# KiCad board memory.ROMRAM.kicad_pcb (continued)
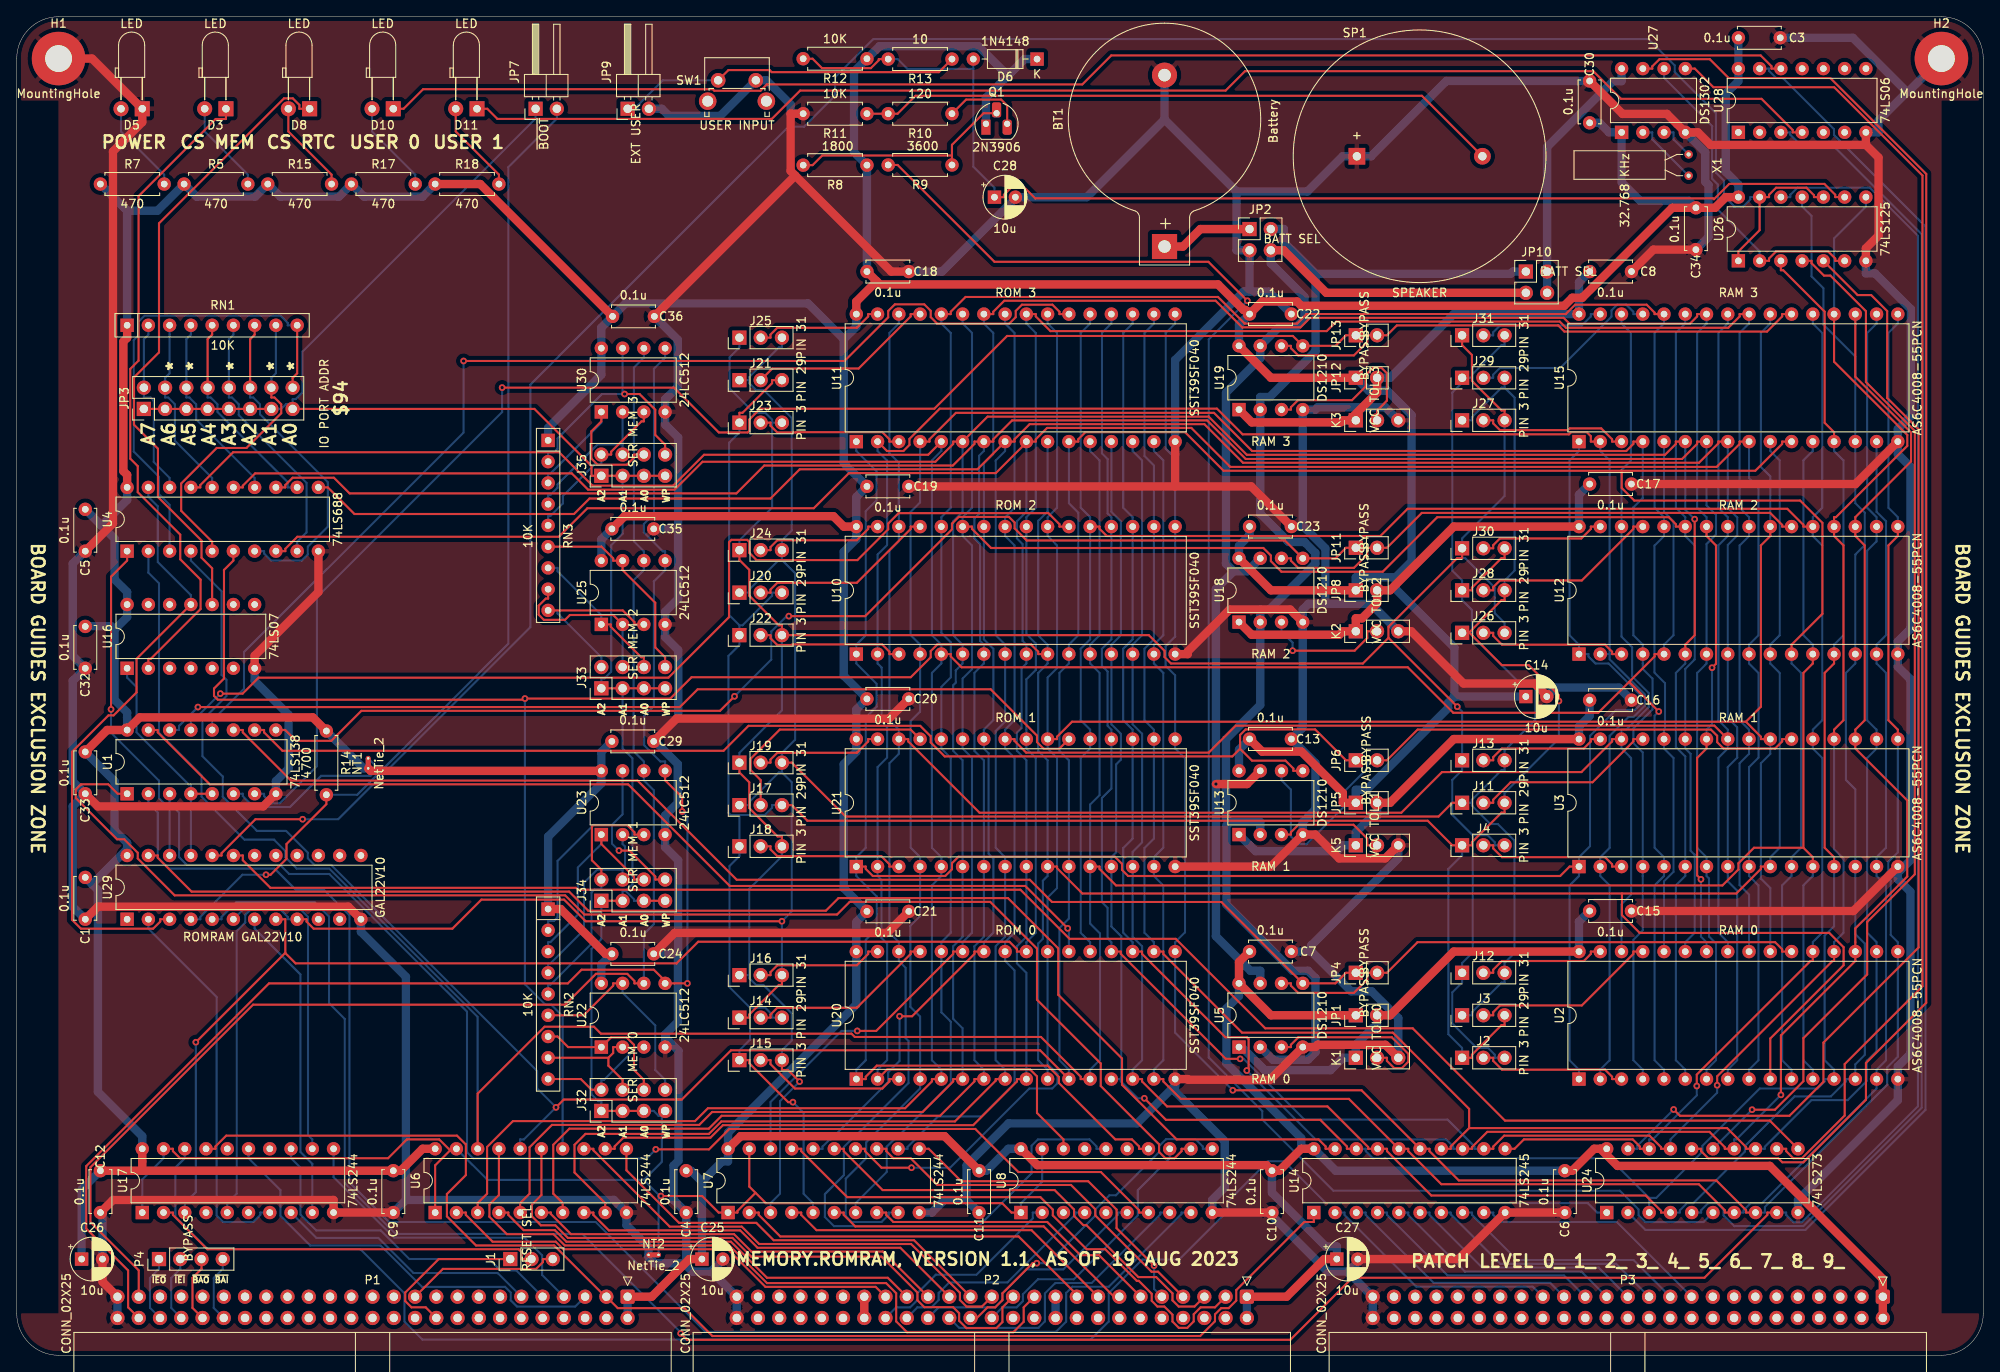
[diagram p0: board, top side]
## Routing (per net, layer and track width the routed paths; a pad name or vN(x,y) marks a point on that pad's centre or on a via; arc(x,y) is an arc through that point) (continued)
bA15: length 323.7
  Top w0.25: J19.1 86.36,69.66 87.54,68.49 87.54,65.41 90.93,62.02 91.44,62.02 J18.3 ; v1(93.55,32.71) 92.16,34.1 91.44,34.1 J15.3 ; J30.1 172.72,95.28 172.13,95.28 163.92,87.07 163.92,85.75 ; v1(172.15,77.53) 163.92,85.75 ; 163.92,85.75 160.86,82.69 137.94,82.69 137.16,83.46 137.16,84.2 135.28,86.08 J22.3 91.44,87.26 91.07,87.26 87.54,90.79 87.54,93.89 86.36,95.06 J24.1 ; J31.1 172.72,120.74 173.9,119.57 173.9,116.47 177.43,112.94 177.8,112.94 J27.3
  Bottom w0.25: 173.99,62.15 173.99,48.17 172.72,46.9 J12.1 172.72,44.54 171.54,43.37 171.54,39.66 174.46,36.74 175.82,36.74 176.62,35.93 176.62,35.56 J2.3 ; 173.99,62.15 175.8,62.15 176.62,61.33 176.62,60.96 J4.3 ; 173.99,62.15 171.54,64.6 171.54,68.77 172.72,69.94 J13.1 172.72,76.95 v1(172.15,77.53) ; J27.3 177.8,102.72 172.72,97.64 J30.1 172.72,95.28 173.09,95.28 176.62,91.75 176.62,88.71 177.8,87.54 J26.3 ; 87.54,45.44 87.54,45.07 88.34,44.26 89.22,44.26 92.62,40.87 92.62,37.63 91.44,36.46 J15.3 ; 87.54,45.44 J16.1 ; 87.54,45.44 87.54,55.76 91.44,59.66 J18.3 ; 90.26,111.48 90.26,101.32 86.36,97.42 J24.1 ; 90.26,111.48 J23.3 ; 90.26,111.48 90.26,111.85 89.46,112.66 88.1,112.66 85.18,115.57 85.18,119.29 86.36,120.46 J25.1 ; J19.1 86.36,72.02 91.44,77.1 J22.3 ; U7.3 90.08,18.19 91.21,19.32 91.21,30.38 v1(93.55,32.71)
bA16: length 283.5
  Top w0.25: U15.2 188.1,109.22 188.1,109.86 187.62,110.34 185.76,110.34 185.5,110.08 146.49,110.08 143.42,113.15 110.29,113.15 106.68,109.54 106.68,108.81 105.96,108.09 104,108.09 U11.2 ; U20.2 104.02,34.17 121.09,34.17 121.92,33.34 121.92,28.97 125.08,25.81 U8.18
  Bottom w0.25: U2.2 189.23,34.14 190.36,35.27 190.36,56.16 189.23,57.29 U3.2 189.23,59.54 190.36,60.67 190.36,74.04 192.61,76.3 193.21,76.3 194.58,77.67 194.58,78.97 190.36,83.19 190.36,83.81 ; U12.2 190.36,83.81 ; 190.36,83.81 190.36,106.96 189.23,108.09 U15.2 ; U11.2 102.87,108.09 104,106.96 104,96.84 102.87,95.71 U10.2 102.87,82.69 103.37,82.19 103.37,75.69 104,75.06 104,71.44 102.87,70.31 U21.2 102.87,57.29 103.34,56.82 103.34,49.88 104.01,49.21 104.01,35.28 102.87,34.14 U20.2
bA17: length 331.4
  Top w0.25: U21.30 106.54,73.66 106.54,73.37 115.06,64.85 165.46,64.85 170.32,69.71 186.98,69.71 190.64,73.37 190.64,73.66 U3.30
  Bottom w0.25: U2.30 191.77,53.92 192.92,55.07 192.92,71.38 191.77,72.53 U3.30 191.77,74.78 192.33,74.78 195.03,77.48 195.03,79.16 193.04,81.14 193.04,84.63 191.77,85.9 U12.30 191.77,105.82 192.9,106.94 192.9,122.2 191.77,123.33 U15.30 ; U11.30 105.41,123.33 104.28,122.2 104.28,107.81 105.41,106.68 U10.30 105.41,97.29 104.28,96.17 104.28,75.91 105.41,74.78 U21.30 105.41,71.89 104.28,70.77 104.28,50.51 105.41,49.38 U20.30 105.41,47.13 106.23,46.31 106.23,37.91 106.57,37.57 106.57,32.54 100.34,26.31 100.26,26.31 98.84,24.89 98.84,21.53 96.57,19.26 96.57,16.52 97.66,15.44 114.97,15.44 121.27,21.74 121.27,25.04 122.03,25.81 128.19,25.81 129.03,24.96 129.03,24.68 U8.16
bA18: length 300
  Top w0.25: U8.14 134.11,24.68 134.11,24.96 133.27,25.81 131.28,25.81 124.54,32.54 124.54,33.26 123.18,34.62 102.78,34.62 101.46,33.3 101.46,33.01 U20.1 ; U21.1 101.46,58.41 101.46,58.13 102.3,57.29 110.96,57.29 111.76,58.09 111.76,58.81 112.54,59.59 131.23,59.59 132.08,58.74 132.08,58.02 132.81,57.29 184.44,57.29 185.56,58.41 U3.1
  Bottom w0.25: U20.1 100.33,34.14 101.46,35.27 101.46,49.65 102.77,50.97 102.77,54.85 100.33,57.29 U21.1 100.33,59.54 101.46,60.67 101.46,76.23 102.76,77.53 102.76,80.26 100.33,82.69 U10.1 100.33,84.94 101.46,86.07 101.46,100.9 102.75,102.2 102.75,105.67 100.33,108.09 U11.1 ; U2.1 186.69,34.14 185.56,35.27 185.56,56.16 186.69,57.29 U3.1 186.69,59.54 188.01,60.86 188.01,74.04 191.11,77.14 193.38,77.14 194.11,77.86 194.11,78.81 190.22,82.69 188.66,82.69 187.82,83.53 187.82,83.81 U12.1 186.69,84.94 185.56,86.07 185.56,106.96 186.69,108.09 U15.1
bA19: length 167
  Top w0.25: U8.12 139.19,24.68 139.19,24.4 138.35,23.55 137.26,23.55 136.51,24.3 136.51,25.21 129.54,32.18 129.54,34.88 121.92,42.5 121.92,48.61 116.34,54.2 99.54,54.2 98.03,52.69 67.82,52.69 65.54,54.97 18.87,54.97 14.46,59.38 14.46,60.07 12.85,61.68 11.98,61.68 7.05,66.6 7.05,67.62 7.68,68.25 10.93,68.25 12.06,67.12 U1.1
bA20: length 181.7
  Bottom w0.25: U8.9 139.19,17.06 139.19,16.88 130.5,8.19 126.14,8.19 125.41,7.46 125.41,4.03 124.2,2.82 82.29,2.82 69.17,15.93 44.49,15.93 39.75,20.67 39.75,52.59 36.72,55.62 33.36,55.62 30.82,58.16 18.18,58.16 16.86,59.49 16.86,64.87 15.73,65.99 U1.2
bA21: length 154.4
  Top w0.25: U8.7 134.11,17.06 134.11,17.34 129.55,21.9 119.69,21.9 114.54,27.05 85.17,27.05 82.73,24.61 v1(76.36,24.61)
  Bottom w0.25: v1(76.36,24.61) 75.28,23.53 54.56,23.53 53.81,24.28 53.81,41.07 37.36,57.53 32.55,57.53 31.46,58.61 20.33,58.61 19.4,59.55 19.4,64.87 18.27,65.99 U1.3
bD0: length 283
  Top w0.25: U14.18 158.95,24.68 158.95,24.96 155.77,28.14 137.33,28.14 v1(134.75,30.72) ; U3.13 217.17,59.54 216.04,60.67 216.04,81.56 217.17,82.69 U12.13 ; U26.3 210.81,129.69 211.1,129.69 216.04,124.75 216.04,111.47 217.17,110.34 U15.13
  Bottom w0.25: U3.13 217.17,51.28 216.04,50.16 216.04,35.27 217.17,34.14 U2.13 216.04,33.01 216.04,32.73 215.2,31.89 208.29,31.89 201.43,25.03 201.43,24.32 195.91,18.81 195.08,18.81 ; v1(134.75,30.72) 133.95,30.72 131.94,32.73 131.94,33.01 131.82,33.01 ; 131.82,33.01 U20.13 ; 131.82,33.01 132,33.19 132,50.08 130.81,51.26 U21.13 130.81,59.54 131.38,60.11 131.38,70.63 131.94,71.19 131.94,74.29 130.81,75.42 U10.13 130.81,84.94 131.94,86.07 131.94,99.68 130.81,100.82 U11.13 ; U14.18 161.21,24.68 161.21,24.4 162.05,23.55 190.33,23.55 195.08,18.81 ; 195.08,18.81 U24.3 ; U15.13 217.17,108.09 218.3,106.96 218.3,86.07 217.17,84.94 U12.13
bD1: length 290.7
  Top w0.25: U20.14 134.48,33.01 134.48,32.73 137.46,29.75 156.63,29.75 161.49,24.88 161.49,24.68 U14.17 163.75,24.68 163.75,24.4 169.05,19.1 194.66,19.1 196.49,17.26 196.49,17.06 U24.4
  Bottom w0.25: U20.14 133.35,34.14 134.48,35.27 134.48,48.89 133.35,50.02 U21.14 133.35,60.18 134.48,61.31 134.48,74.29 133.35,75.42 U10.14 133.35,84.94 134.48,86.07 134.48,106.96 133.35,108.09 U11.14 ; U24.4 198.75,17.06 198.75,17.34 199.59,18.19 200.35,18.19 206.51,24.34 206.51,25 212.45,30.95 216.8,30.95 218.58,32.73 218.58,33.01 U2.14 219.71,34.78 220.85,35.91 220.85,49.21 219.71,50.34 U3.14 219.71,67.65 218.58,68.78 218.58,81.56 219.71,82.69 U12.14 219.71,95.71 220.84,96.84 220.84,100.72 219.71,101.85 U15.14 219.71,119.38 215.9,123.19 215.9,127.54 214.48,128.96 214.48,136.19 213.35,137.31 U26.11
bD2: length 258.9
  Top w0.25: U20.15 137.02,33.01 137.02,32.73 139.1,30.65 159.19,30.65 U14.16 166.29,24.68 166.29,24.4 170.23,20.45 201.01,20.45 204.11,17.34 204.11,17.06 U24.7
  Bottom w0.25: U11.15 135.89,108.09 137.02,106.96 137.02,86.07 135.89,84.94 U10.15 135.89,82.69 137.02,81.56 137.02,60.67 135.89,59.54 U21.15 135.89,57.29 137.02,56.16 137.02,35.27 135.89,34.14 U20.15 ; U24.7 206.37,17.06 206.37,17.34 207.21,18.19 208.55,18.19 222.25,31.89 U2.15 222.25,34.14 223.38,35.27 223.38,56.16 222.25,57.29 U3.15 222.25,59.54 223.38,60.67 223.38,81.56 222.25,82.69 U12.15 222.25,84.94 223.38,86.07 223.38,99.68 222.25,100.82 U15.15
bD3: length 285.2
  Top w0.25: U3.17 224.79,74.78 223.66,75.91 223.66,96.8 224.79,97.93 U12.17 ; v1(145.32,31.68) 160.7,31.68 U14.15 168.83,24.68 168.83,24.4 172.32,20.9 203.1,20.9 206.65,17.34 206.65,17.06 U24.8
  Bottom w0.25: U24.8 208.91,17.06 208.91,17.72 223.52,32.34 223.52,34.41 224.79,35.68 U2.17 224.79,49.38 223.94,50.23 223.94,56.73 223.65,57.02 223.65,58.98 224.79,60.12 U3.17 ; U12.17 224.79,100.18 223.66,101.31 223.66,122.2 224.79,123.33 U15.17 ; v1(145.32,31.68) 138.43,38.57 U20.17 138.43,49.38 139.61,50.56 139.61,71.35 138.43,72.53 U21.17 138.43,81.28 137.29,82.42 137.29,84.77 138.43,85.9 U10.17 138.43,107.24 137.3,108.37 137.3,122.2 138.43,123.33 U11.17
bD4: length 278.6
  Top w0.25: U20.18 137.02,48.25 137.02,47.97 146.43,38.56 164.44,38.56 173.56,29.45 173.56,27.16 ; 173.56,27.16 204.38,27.16 206.65,24.88 206.65,24.68 U24.13 ; 173.56,27.16 171.37,24.96 171.37,24.68 U14.14
  Bottom w0.25: U24.13 208.91,24.68 208.91,24.93 214.47,30.5 218.79,30.5 221.07,32.78 221.07,35.18 222.25,36.36 U2.18 222.25,49.38 221.12,50.51 221.12,71.4 222.25,72.53 U3.18 222.25,74.78 221.12,75.91 221.12,96.17 222.25,97.29 U12.18 222.25,100.18 221.12,101.31 221.12,122.2 222.25,123.33 U15.18 ; U11.18 135.89,123.33 134.76,122.2 134.76,107.49 135.89,106.36 U10.18 135.89,85.58 134.76,84.44 134.76,75.91 135.89,74.78 U21.18 135.89,61.76 134.76,60.63 134.76,50.51 135.89,49.38 U20.18
bD5: length 282.9
  Top w0.25: U24.14 204.11,24.68 204.11,24.87 202.28,26.71 175.73,26.71 173.91,24.88 173.91,24.68 U14.13 ; v1(210.82,31.13) 210.82,38.24 219.71,47.13 U2.19 219.71,51.02 225.92,57.23 225.92,66.32 219.71,72.53 U3.19 219.71,74.78 220.84,75.91 220.84,96.8 219.71,97.93 U12.19 219.71,100.18 226.37,106.84 226.37,110.3 219.71,116.96 U15.19 ; v1(146.99,34.03) 147.21,34.25 147.21,37.79 146.99,38.01 144.44,38.01 134.48,47.97 134.48,48.25 U20.19
  Bottom w0.25: v1(210.82,31.13) 205.5,25.81 205.24,25.81 U24.14 ; v1(146.99,34.03) 155.22,25.81 170.81,25.81 171.65,24.96 171.65,24.68 U14.13 ; U11.19 133.35,123.33 132.22,122.2 132.22,101.31 133.35,100.18 U10.19 133.35,85.58 132.22,84.45 132.22,75.91 133.35,74.78 U21.19 133.35,61.76 132.22,60.63 132.22,50.51 133.35,49.38 U20.19
bD6: length 290.3
  Top w0.25: U20.20 131.94,48.25 131.94,47.98 144.48,35.43 v1(146.2,35.43) ; U2.20 217.17,47.13 216.99,47.13 203.2,33.34 v1(203.2,32.28) ; U3.20 217.17,74.78 218.3,75.91 218.3,96.8 217.17,97.93 U12.20 217.17,100.18 217.39,100.18 225.92,108.71 225.92,110.01 217.17,118.77 U15.20 ; U24.17 196.49,24.68 196.49,24.87 195.11,26.26 177.75,26.26 176.45,24.95 176.45,24.68 U14.12
  Bottom w0.25: U15.20 217.17,133.51 220.97,137.31 U26.8 ; U20.20 130.81,49.38 130.36,49.83 130.36,53.49 129.68,54.17 129.68,66.61 130.81,67.74 U21.20 130.81,74.78 130.36,75.23 130.36,81.73 129.68,82.41 129.68,84.44 130.81,85.58 U10.20 130.81,100.18 130.36,100.63 130.36,107.13 129.68,107.81 129.68,122.2 130.81,123.33 U11.20 ; U14.12 174.19,24.68 174.19,24.96 170.99,28.17 153.88,28.17 146.62,35.43 v1(146.2,35.43) ; U3.20 217.17,60.49 218.3,59.36 218.3,50.51 217.17,49.38 U2.20 ; U24.17 197.62,25.81 203.2,31.39 v1(203.2,32.28)
bD7: length 297.7
  Top w0.25: U2.21 214.63,47.13 214.35,47.13 200.76,33.55 v1(200.76,32.19) ; U12.21 213.5,99.06 213.5,99.26 211.58,101.18 166.2,101.18 162.95,97.93 130.26,97.93 129.4,98.79 129.4,99.06 U10.21 ; U14.11 178.99,24.68 180.11,25.81 193.11,25.81 193.95,24.96 193.95,24.68 U24.18
  Bottom w0.25: U20.21 128.27,49.38 127.14,50.51 127.14,71.4 128.27,72.53 U21.21 128.27,74.78 127.14,75.91 127.14,84.45 128.27,85.58 U10.21 128.27,100.18 127.14,101.31 127.14,122.2 128.27,123.33 U11.21 ; U24.18 195.08,25.81 195.5,25.81 200.76,31.07 v1(200.76,32.19) ; U15.21 214.63,123.33 215.76,122.2 215.76,101.31 214.63,100.18 U12.21 214.63,97.93 215.76,96.8 215.76,75.91 214.63,74.78 U3.21 214.63,72.53 215.76,71.4 215.76,50.51 214.63,49.38 U2.21
D0: length 29.2
  Bottom w0.25: U14.2 158.67,17.06 158.67,16.78 167.24,8.2 181.16,8.2 P3.33
D1: length 29.2
  Bottom w0.25: U14.3 161.21,17.06 161.21,16.78 169.33,8.65 183.25,8.65 P3.31
D2: length 29.2
  Bottom w0.25: U14.4 163.75,17.06 163.75,16.78 170.97,9.55 184.89,9.55 P3.29
D3: length 29.2
  Bottom w0.25: U14.5 166.29,17.06 166.29,16.78 173.06,10 186.98,10 P3.27
D4: length 29.2
  Bottom w0.25: U14.6 168.83,17.06 168.83,16.78 175.12,10.48 189.04,10.48 P3.25
D5: length 29.1
  Bottom w0.25: P3.23 191.13,10.93 177.27,10.93 171.37,16.84 171.37,17.06 U14.7
D6: length 29.2
  Bottom w0.25: U14.8 173.91,17.06 173.91,16.78 179.3,11.38 193.22,11.38 P3.21
D7: length 29.2
  Bottom w0.25: P3.19 191.21,15.93 177.29,15.93 176.45,16.78 176.45,17.06 U14.9
I2C_SCL: length 173.1
  Top w0.25: P1.47 14.58,10.14 8.8,15.92 8.8,22.47 28.24,41.91 65.53,41.91 69.22,45.59 72.96,45.59 73.81,44.74 73.81,44.46 U22.6
  Bottom w0.25: U22.6 74.94,50.35 76.13,51.54 76.13,67.54 74.94,68.73 U23.6 74.94,70.98 73.72,72.2 73.72,92.64 74.94,93.85 U25.6 74.94,96.11 73.75,97.3 73.75,118.06 74.94,119.25 U30.6
I2C_SDA: length 185
  Top w0.25: 77.76,44.46 76.13,46.09 67.49,46.09 65.85,44.45 30.14,44.45 8.3,22.61 8.3,15.14 13.31,10.14 13.31,5.73 P1.48 ; 77.76,44.46 v1(80.14,44.46) ; 77.76,44.46 U22.5 ; U23.5 77.48,68.73 79.52,66.69 v1(79.52,65)
  Bottom w0.25: U23.5 77.48,70.98 76.92,70.98 74.98,72.92 74.98,76.44 76.14,77.59 76.14,92.51 77.48,93.85 U25.5 77.48,96.11 77.2,96.11 74.94,98.36 74.94,99.36 76.15,100.57 76.15,117.92 77.48,119.25 U30.5 ; v1(79.52,65) 80.14,64.37 v1(80.14,44.46)
ONE: length 21.4
  Bottom w0.25: U1.6 27.02,67.12 27.02,66.84 28.32,65.53 32.65,65.53 36.38,69.27 42.28,69.27 42.83,69.81 42.83,70.52 NT1.2
ZERO: length 374.8
  Top w0.25: 51.79,24.49 50.48,25.81 46.63,25.81 44.38,23.55 19.51,23.55 18.67,24.4 18.67,24.68 U17.19 ; 51.79,24.49 51.98,24.68 U6.19 ; 51.79,24.49 50,22.7 U6.1 ; J34.3 J34.1 ; J32.1 J32.3 J32.5 ; J33.1 J33.3 J33.5 J33.7 ; v1(76.98,19.04) 81.9,19.04 83.87,17.06 U7.1 86.13,17.06 86.13,17.25 88.29,19.42 ; 88.29,19.42 89.52,18.19 117.75,18.19 118.87,17.06 U8.1 ; 88.29,19.42 87.54,20.16 U7.19 ; J35.7 J35.5 J35.3 J35.1 68.68,105.12 68.68,106.3 61.86,113.12 JP3.15 ; JP3.13 JP3.11 JP3.9 JP3.7 JP3.5 JP3.3 JP3.1 ; J34.7 J34.5
  Bottom w0.25: 76.7,19.04 NT2.2 ; 76.7,19.04 76.7,19.19 74.93,20.96 ; 76.7,19.04 v1(76.98,19.04) ; J32.5 76.12,29.21 76.7,28.62 77.09,28.62 ; JP3.13 31.61,113.12 32.19,113.71 32.97,113.71 ; J34.1 69.86,49.75 68.68,48.57 68.68,31.19 69.49,30.38 69.86,30.38 J32.1 ; 32.97,113.71 32.97,114.3 33.34,114.3 34.15,115.1 34.15,119.97 62,147.82 JP7.1 ; 32.97,113.71 JP3.15 ; U6.19 56.26,20.96 74.93,20.96 ; U8.19 122.54,20.73 120,18.19 U8.1 ; 74.93,20.96 77.09,23.11 77.09,28.62 ; J34.5 73.76,54.32 73.76,54.5 72.77,55.5 ; 72.77,55.5 73.58,56.31 73.58,71.36 72.4,72.53 J33.3 ; 72.77,55.5 72.4,55.5 J34.3 ; J33.1 69.86,80.9 70.23,80.9 71.04,81.71 71.04,96.83 72.4,98.2 J35.3 ; U17.1 15,21.01 17.54,23.55 U17.19 ; J32.7 77.48,28.62 77.09,28.62
~{BAI}: length 8
  Bottom w0.25: P1.40 23.54,5.66 23.54,9.25 24.62,10.32 P4.4
~{BAO}: length 8
  Top w0.25: P4.3 22.08,10.32 21,9.25 21,5.66 P1.42
~{bIORQ}: length 37.9
  Bottom w0.25: U17.9 35.32,22.88 33.91,24.29 33.91,45.52 28.43,50.99 U29.7
~{bM1}: length 38.1
  Bottom w0.25: U29.6 27.48,53.71 33.51,53.71 34.81,52.41 34.81,26.32 35.32,25.81 U17.12
~{bMREQ}: length 46.1
  Bottom w0.25: U17.7 29.11,17.06 29.11,16.78 28.27,15.93 24.66,15.93 23.89,16.71 23.89,42.83 15.73,50.99 U29.2
~{BOOT}: length 119.8
  Top w0.25: R14.2 37,65.87 32.24,61.11 32.24,59.35 30.33,57.44 v1(29.79,57.44)
  Bottom w0.25: v1(29.79,57.44) 26.97,57.44 21.94,52.4 21.94,52.12 U29.4 ; R14.2 40.69,67 58.75,85.06 58.75,142.03 64.54,147.82 JP7.2
~{bRD}: length 379
  Top w0.25: U29.8 32.1,52.12 32.1,48.07 ; U11.24 121.78,124.45 121.78,124.17 123.53,122.42 156.54,122.42 157.68,123.56 184.39,123.56 185.13,122.82 204.53,122.82 205.88,124.17 205.88,124.45 U15.24 ; v1(21.4,37.42) 32.06,48.07 32.1,48.07 ; U20.24 119.52,48.25 119.52,48.54 118.63,49.43 81.43,49.43 78.85,46.85 33.32,46.85 32.1,48.07
  Bottom w0.25: v1(21.4,37.42) 21.4,19.51 20.08,18.19 U17.3 ; U2.24 207.01,55.07 205.88,56.2 205.88,70.76 207.01,71.89 U3.24 207.01,74.78 205.88,75.91 205.88,96.8 207.01,97.93 U12.24 207.01,100.18 205.88,101.31 205.88,122.2 207.01,123.33 U15.24 ; U20.24 120.65,49.38 121.78,50.51 121.78,71.4 120.65,72.53 U21.24 120.65,80.79 121.78,81.92 121.78,85.08 120.65,86.21 U10.24 120.65,100.18 121.78,101.31 121.78,122.2 120.65,123.33 U11.24
~{bRESET}: length 201.7
  Bottom w0.25: U24.1 188.87,17.06 187.75,18.19 156.45,18.19 151.45,23.19 149.54,23.19 144.74,18.39 144.74,17.28 138.9,11.44 134.51,11.44 130.49,7.42 130.49,4.03 128.33,1.87 48.48,1.87 46.33,4.02 46.33,7.4 41.05,12.68 22.83,12.68 18.95,16.55 18.95,22.43 20.08,23.55 U17.18
~{BUS_EN}: length 163
  Top w0.25: U14.19 156.41,24.68 156.41,24.96 155.57,25.81 138.6,25.81 132.08,32.33 132.08,35.47 124.46,43.09 124.46,48.64 118.45,54.65 98.2,54.65 96.69,53.14 68.3,53.14 66.01,55.42 20.89,55.42 16.86,59.46 16.86,59.74 U29.23
~{bWR}: length 404.3
  Top w0.25: U29.9 34.64,52.12 34.64,51.84 35.48,50.99 52.06,50.99 55.53,54.47 65.41,54.47 67.99,51.88 v1(91.44,51.88) ; J11.1 171.54,66.04 169.9,64.4 99.06,64.4 92.62,70.84 J19.3 ; J14.1 87.54,40.36 87.54,40.73 91.07,44.26 91.44,44.26 J16.3 ; J28.1 173.9,91.44 173.9,91.75 177.43,95.28 177.8,95.28 J30.3
  Bottom w0.25: J11.1 173.88,66.04 ; 173.88,66.04 173.88,65.71 176.1,63.5 177,63.5 178.98,61.52 178.98,48.07 177.8,46.9 J12.3 177.8,44.54 177.43,44.54 173.9,41.01 173.9,40.64 J3.1 ; 173.88,66.04 173.88,66.4 177.43,69.94 177.8,69.94 J13.3 177.8,72.3 181.47,75.96 181.47,79.71 180.92,80.26 179.69,80.26 173.9,86.05 173.9,89.09 172.72,90.26 J28.1 172.72,92.62 171.54,93.79 171.54,115.08 173.31,116.84 ; J25.3 91.44,120.46 91.07,120.46 87.54,116.93 87.54,116.56 ; U17.5 25.16,18.19 26.29,19.31 26.29,50.71 27.3,51.72 27.3,52.63 27.93,53.26 31.53,53.26 32.38,52.4 32.38,52.12 U29.9 ; J31.3 177.8,120.74 177.43,120.74 173.9,117.21 173.9,116.84 173.31,116.84 ; 173.31,116.84 J29.1 ; 91.44,95.06 91.07,95.06 87.54,91.53 87.54,91.16 J20.1 ; 91.44,95.06 J24.3 91.44,97.42 92.62,98.59 92.62,112.03 89.26,115.38 88.34,115.38 87.54,116.19 87.54,116.56 ; 91.44,95.06 93.01,93.49 93.01,73.59 91.44,72.02 J19.3 91.44,69.66 ; 91.44,69.66 91.07,69.66 87.54,66.13 87.54,65.76 J17.1 ; 91.44,69.66 92.62,68.49 92.62,53.05 v1(91.44,51.88) J16.3 ; 87.54,116.56 J21.1
~{CEO0}: length 65.2
  Top w0.25: U5.6 152.27,44.46 152.27,44.18 153.13,43.32 159.79,43.32 161.38,44.91 161.38,45.72 JP4.2 163.74,45.72 167.4,49.38 210.12,49.38 210.96,48.54 210.96,48.25 U2.22
~{CEO1}: length 77.8
  Top w0.25: U3.22 210.96,73.66 210.96,73.37 210.12,72.53 203.96,72.53 203.2,73.29 203.2,74.05 202.46,74.79 167.41,74.79 163.74,71.12 JP6.2
  Bottom w0.25: JP6.2 161.38,71.12 161.38,70.12 158.55,67.29 158.55,65.51 154.13,61.1 153.19,61.1 152.27,62.02 152.27,67.61 151.14,68.73 U13.6
~{CEO2}: length 65.6
  Top w0.25: U18.6 152.27,95.26 152.27,94.98 153.12,94.12 159.79,94.12 161.38,95.71 161.38,96.52 JP11.2 163.74,96.52 167.91,100.69 209.53,100.69 210.96,99.26 210.96,99.06 U12.22
~{CEO3}: length 64.9
  Top w0.25: U15.22 210.96,124.45 210.96,124.17 209.16,122.37 184.95,122.37 184.21,123.1 164.92,123.1 163.74,121.92 JP13.2 161.38,121.92 161.38,121.11 159.79,119.52 153.12,119.52 152.27,120.38 152.27,120.66 U19.6
~{CS_MEM}: length 28.2
  Top w0.25: U1.5 U1.4
  Bottom w0.25: U16.1 13.19,80.99 14.32,79.87 14.32,74.46 20.53,68.25 20.81,68.25 U1.4 U29.21
~{CS_RAM0}: length 147.4
  Top w0.25: JP4.1 158.84,45.72 157.58,44.46 U5.5 143.96,54.18 123.72,54.18 121.06,56.84 86.04,56.84 74.18,68.7 32.78,68.7 27.02,74.46 27.02,74.74 U1.11
~{CS_RAM1}: length 148.5
  Top w0.25: 146.19,72.51 147.62,71.08 151.62,71.08 152.55,70.14 152.55,69.86 U13.5 ; 146.19,72.51 146.19,74.15 146.85,74.81 155.16,74.81 158.84,71.12 JP6.1 ; 146.19,72.51 145.27,71.59 110.89,71.59 109.22,73.26 109.22,73.98 107.96,75.24 87.45,75.24 84.46,72.25 31.76,72.25 29.56,74.46 29.56,74.74 U1.10
~{CS_RAM2}: length 146
  Top w0.25: v1(92.27,88.35) 101.39,88.35 111.76,98.72 111.76,99.41 112.57,100.21 118.57,100.21 119.25,99.54 119.25,98.84 120.69,97.4 151.54,97.4 U18.5 157.58,95.26 158.84,96.52 JP11.1 ; v1(85.77,78.76) 84.04,77.03 41.18,77.03 37.59,73.45 33.39,73.45 32.1,74.74 U1.9
  Bottom w0.25: v1(85.77,78.76) 90.17,83.16 90.17,86.52 92,88.35 v1(92.27,88.35)
~{CS_RAM3}: length 175.1
  Top w0.25: v1(58,115.67) 78.54,115.67 83.9,110.3 87.35,110.3 87.54,110.49 87.54,111.84 88.84,113.15 109.65,113.15 118.35,121.84 152.5,121.84 U19.5 157.58,120.66 158.84,121.92 JP13.1
  Bottom w0.25: v1(58,115.67) 58,112.75 35.87,90.62 35.87,70.42 31.44,65.99 30.41,65.99 29.56,66.84 29.56,67.12 U1.7
~{CS_ROM0}: length 122.7
  Top w0.25: v1(125.59,51.03) 120.53,56.1 85.21,56.1 73.06,68.25 23.07,68.25 16.86,74.46 16.86,74.74 U1.15
  Bottom w0.25: v1(125.59,51.03) 125.73,50.89 U20.22
~{CS_ROM1}: length 113.6
  Top w0.25: U21.22 124.56,72.49 122.73,72.49 121.92,73.29 121.92,74.07 116.39,79.61 81.37,79.61 79.24,77.48 v1(21.65,77.48)
  Bottom w0.25: U1.14 19.4,74.74 19.4,75.22 v1(21.65,77.48)
~{CS_ROM2}: length 125.6
  Top w0.25: v1(24.33,79.09) 26.99,79.09 28.9,81 77.88,81 85.12,88.23 85.12,97.18 85.41,97.47 87.29,97.47 87.54,97.23 87.54,95.92 88.41,95.05 100.46,95.05 104.14,98.73 104.14,99.42 105.39,100.66 123.28,100.66 124.6,99.34 124.6,99.06 U10.22
  Bottom w0.25: U1.13 20.81,75.87 21.1,75.87 v1(24.33,79.09)
~{CS_ROM3}: length 135.5
  Top w0.25: v1(53.4,118.85) 98.92,118.85 104.14,124.07 104.14,124.82 104.93,125.62 108.45,125.62 109.22,124.85 109.22,124.09 109.99,123.31 118.61,123.31 119.38,124.09 119.38,124.83 120.13,125.58 123.76,125.58 124.6,124.74 124.6,124.45 U11.22
  Bottom w0.25: U1.12 23.35,75.87 27.16,79.68 27.16,84.06 53.4,110.3 v1(53.4,118.85)
~{CS_RTC}: length 72.8
  Top w0.25: U29.3 17.14,52.12 17.14,51.84 16.3,50.99 7.67,50.99 6.6,52.06 6.6,72.13 10.96,76.49 11.57,76.49 14.32,79.23 14.32,83.25 U16.11
  Bottom w0.25: U16.11 20.81,90.87 16.86,94.82 16.86,101.49 15.73,102.61 U4.19
~{IEI}: length 8
  Bottom w0.25: P1.44 18.46,5.66 18.46,9.25 19.54,10.32 P4.2
~{IEO}: length 8
  Bottom w0.25: P4.1 17,10.32 15.92,9.25 15.92,5.66 P1.46
~{IO_EN}: length 40.1
  Top w0.25: U4.1 13.19,94.99 11.27,93.07 v1(11.27,77.21)
  Bottom w0.25: U29.22 18.27,65.32 17,66.59 17,68.68 11.27,74.41 v1(11.27,77.21)
~{IORQ}: length 38.2
  Bottom w0.25: U17.11 37.86,21.29 45.09,14.05 60.67,14.05 62.78,11.94 62.78,9.59 P1.7
~{M1}: length 31.7
  Bottom w0.25: U17.8 35.81,14.03 43.21,14.03 47.41,9.83 57.47,9.83 P1.11
~{MEM_EN}: length 380.4
  Top w0.25: U24.9 209.19,17.06 209.19,16.78 201.68,9.27 159.61,9.27 152.19,1.85 80.1,1.85 v1(79.33,2.61)
  Bottom w0.25: U26.12 211.94,138.44 211.94,138.72 212.78,139.57 221.44,139.57 227.19,133.81 227.19,29.77 213.32,15.9 212.32,15.9 211.45,16.78 211.45,17.06 U24.9 ; U29.5 24.48,52.12 24.48,52.4 26.23,54.16 35.61,54.16 37.32,52.45 37.32,42.08 39.2,40.21 39.2,20.59 45.28,14.5 67.57,14.5 79.33,2.74 v1(79.33,2.61)
~{MREQ}: length 41.3
  Bottom w0.25: P1.9 59.7,10.14 57.8,10.14 56.43,11.51 46.91,11.51 43.49,14.93 35.79,14.93 33.91,16.81 33.91,22.43 32.78,23.55 U17.13
~{RD}: length 159.3
  Top w0.25: U17.17 23.75,24.68 23.75,24.96 25.04,26.26 52.61,26.26 53.67,25.19 53.67,21.54 51.4,19.27 51.4,16.6 54.88,13.13 64.22,13.13 70.35,7 P1.3 71.82,5.64 79.79,5.64 83.13,2.3 141.42,2.3 143.19,4.07 143.19,4.89 143.93,5.64 144.83,5.64 145.73,6.54 145.73,7.79 153.87,15.93 155,15.93 U14.1
~{RES_IN}: length 19.8
  Top w0.25: J1.1 50.42,11.5 46.42,7.5 46.42,6.47 47.17,5.73 48.87,5.73 P1.20
~{RES_OUT}: length 18.5
  Top w0.25: P1.21 50.92,10.32 62.07,10.32 62.88,11.13 62.88,11.5 64.06,11.5
~{RTC_RD}: length 275.9
  Top w0.25: U26.1 205.74,131.95 208.28,134.49 U26.13 209.4,138.44 209.4,138.72 210.24,139.57 213.87,139.57 214.77,138.66 214.77,138.44 U26.10 ; U29.20 24.48,59.74 24.48,60.02 28.53,64.07 v1(34.16,64.07)
  Bottom w0.25: v1(34.16,64.07) 38.41,64.07 61.38,87.04 61.38,116.02 92.2,146.85 94.08,146.85 97.79,150.56 97.79,152.77 102.35,157.32 195,157.32 198.13,154.19 198.13,153.4 203.05,148.47 203.05,141.36 204.01,140.4 204.01,138.57 205.27,137.31 206.31,137.31 207.15,138.16 207.15,138.44 U26.13
~{RTC_WR}: length 201.8
  Top w0.25: U24.11 209.49,28.05 177.85,28.05 166.82,39.08 149.2,39.08 138.5,49.78 125.81,49.78 119.94,55.65 67.06,55.65 66.84,55.87 30.32,55.87 27.02,59.18 27.02,59.74 U29.19
~{WR}: length 51.5
  Bottom w0.25: P1.5 66.74,5.82 59.77,5.82 59.03,6.57 59.03,7.5 58.35,8.18 48.43,8.18 43.48,13.13 35.07,13.13 31.51,16.68 31.51,19.74 27.7,23.55 U17.15
Net-(D3-Pad1): length 78.6
  Top w0.25: U16.2 15.73,83.25 16.01,83.25 21.97,89.21 21.97,92.71 19.54,95.15 19.54,98.09 14.46,103.17 14.46,106.28 13.56,107.18 13.56,117.9 14.56,118.89 14.56,138.56 23.77,147.77 25,147.77 D3.1
Net-(D3-Pad2): length 11.1
  Bottom w0.25: R5.2 27.62,141.13 22.46,146.29 D3.2
Net-(D5-Pad2): length 11.1
  Bottom w0.25: D5.2 12.46,146.29 17.62,141.13 R7.2
Net-(D8-Pad1): length 75.6
  Top w0.25: D8.1 33.77,149 33.77,149.46 32.99,150.24 31.93,150.24 17,135.31 17,119.88 14.01,116.89 14.01,111.23 16.87,108.37 16.87,102.59 22.08,97.39 22.08,95.34 23.35,94.07 U16.10
Net-(D8-Pad2): length 11.1
  Top w0.25: D8.2 32.46,146.29 37.62,141.13 R15.2
Net-(D10-Pad1): length 169.4
  Top w0.25: D10.1 46.23,149 48.56,151.34 83.19,151.34 83.37,151.15 88.88,151.15 89.63,151.91 127.33,151.91 130.8,155.38 208.39,155.38 209.69,154.08 209.69,153.8 U28.12
Net-(D10-Pad2): length 11.1
  Bottom w0.25: R17.2 47.62,141.13 42.46,146.29 D10.2
Net-(D11-Pad1): length 164.4
  Top w0.25: U28.4 212.23,146.18 212.23,146.46 208.51,150.18 191.71,150.18 188.4,153.5 146.78,153.5 144.46,151.17 93.62,151.17 90.23,147.79 57.44,147.79 56.23,149 D11.1
Net-(D11-Pad2): length 11.1
  Top w0.25: D11.2 52.46,146.29 57.62,141.13 R18.2
Net-(J1-Pad2): length 46.9
  Top w0.25: J1.2 60.34,11.5 60.34,12.31 59.97,12.68 22.77,12.68 18.67,16.78 18.67,17.06 U17.2
Net-(J2-Pad2): length 17.9
  Top w0.25: J2.2 176.44,35.56 176.44,35.19 177.49,34.14 189.8,34.14 190.64,33.3 190.64,33.01 U2.3
Net-(J3-Pad2): length 22.6
  Top w0.25: U2.29 193.18,48.25 193.18,47.97 187.03,41.82 177.24,41.82 176.44,41.01 176.44,40.64 J3.2
Net-(J4-Pad2): length 17.9
  Top w0.25: J4.2 176.44,60.96 176.44,60.59 177.49,59.54 189.8,59.54 190.64,58.7 190.64,58.41 U3.3
Net-(J11-Pad2): length 22.6
  Top w0.25: U3.29 193.18,73.66 193.18,73.37 188.31,68.5 178.52,68.5 176.44,66.41 176.44,66.04 J11.2
Net-(J12-Pad2): length 15.4
  Top w0.25: J12.2 176.44,45.72 176.44,46.09 177.48,47.13 187.26,47.13 188.1,47.97 188.1,48.25 U2.31
Net-(J13-Pad2): length 15.4
  Top w0.25: U3.31 188.1,73.66 188.1,73.37 187.26,72.53 177.48,72.53 176.44,71.49 176.44,71.12 J13.2
Net-(J14-Pad2): length 22.7
  Top w0.25: J14.2 90.08,40.36 90.08,40.73 90.88,41.54 100.39,41.54 106.82,47.97 106.82,48.25 U20.29
Net-(J15-Pad2): length 18.8
  Top w0.25: J15.2 90.08,35.28 90.08,34.8 92.99,31.89 103.44,31.89 104.28,32.73 104.28,33.01 U20.3
Net-(J16-Pad2): length 15.5
  Top w0.25: U20.31 101.74,48.25 101.74,47.97 100.39,46.62 90.88,46.62 90.08,45.81 90.08,45.44 J16.2
Net-(J17-Pad2): length 28.2
  Top w0.25: U21.29 106.81,74.79 91.19,74.79 87.7,71.31 87.7,69.95 88.9,68.75 J17.2
Net-(J18-Pad2): length 17.9
  Top w0.25: J18.2 90.08,60.84 90.08,60.47 90.88,59.66 103.32,59.66 104.28,58.7 104.28,58.41 U21.3
Net-(J19-Pad2): length 15.5
  Top w0.25: J19.2 90.08,70.84 90.08,71.21 90.88,72.02 100.39,72.02 101.74,73.37 101.74,73.66 U21.31
Net-(J20-Pad2): length 22.7
  Top w0.25: J20.2 90.08,91.16 90.08,91.53 90.88,92.34 100.39,92.34 106.82,98.77 106.82,99.06 U10.29
Net-(J21-Pad2): length 22.5
  Top w0.25: J21.2 90.29,117.95 100.6,117.95 106.82,124.17 106.82,124.45 U11.29
Net-(J22-Pad2): length 17.9
  Top w0.25: J22.2 90.08,86.08 90.08,85.71 90.88,84.9 92.63,84.9 92.69,84.97 103.41,84.97 104.28,84.1 104.28,83.81 U10.3
Net-(J23-Pad2): length 17.9
  Top w0.25: J23.2 90.08,111.48 90.08,111.11 90.88,110.3 93.09,110.3 93.13,110.34 103.44,110.34 104.28,109.5 104.28,109.22 U11.3
Net-(J24-Pad2): length 15.5
  Top w0.25: U10.31 101.74,99.06 101.74,98.77 100.39,97.42 90.88,97.42 90.08,96.61 90.08,96.24 J24.2
Net-(J25-Pad2): length 15.5
  Top w0.25: J25.2 90.08,121.64 90.08,122.01 90.88,122.82 100.39,122.82 101.74,124.17 101.74,124.45 U11.31
Net-(J26-Pad2): length 17.9
  Top w0.25: J26.2 176.44,86.36 176.44,85.99 177.49,84.94 189.8,84.94 190.64,84.1 190.64,83.81 U12.3
Net-(J27-Pad2): length 18.1
  Top w0.25: U15.3 190.64,109.22 190.64,109.5 189.35,110.79 185.57,110.79 185.36,110.58 177.24,110.58 176.44,111.39 176.44,111.76 J27.2
Net-(J28-Pad2): length 22.6
  Top w0.25: U12.29 193.18,99.06 193.18,98.77 187.03,92.62 177.24,92.62 176.44,91.81 176.44,91.44 J28.2
Net-(J29-Pad2): length 24
  Bottom w0.25: U15.29 193.18,124.45 193.18,124.74 192.33,125.59 191.27,125.59 190.57,124.9 190.57,124.16 184.43,118.02 177.24,118.02 176.44,117.21 176.44,116.84 J29.2
Net-(J30-Pad2): length 15.4
  Top w0.25: J30.2 176.44,96.46 176.44,96.83 177.24,97.64 186.97,97.64 188.1,98.77 188.1,99.06 U12.31
Net-(J31-Pad2): length 15.4
  Bottom w0.25: U15.31 188.1,124.45 188.1,124.17 187.03,123.1 177.24,123.1 176.44,122.29 176.44,121.92 J31.2
Net-(J32-Pad2): length 14.9
  Top w0.25: J32.2 68.68,31.75 67.41,33.02 RN2.9
  Bottom w0.25: J32.2 69.86,32.92 70.18,32.92 73.81,36.55 73.81,36.84 U22.3
Net-(J32-Pad4): length 14.4
  Top w0.25: 70.7,35.56 71.27,36.13 71.27,36.84 U22.2 ; 70.7,35.56 70.7,34.62 72.4,32.92 J32.4 ; 70.7,35.56 RN2.8
Net-(J32-Pad6): length 17.5
  Top w0.25: RN2.7 64.63,38.1 65.89,36.84 U22.1 71.02,37.99 72.88,37.99 73.76,37.11 73.76,34.1 74.94,32.92 J32.6
Net-(J32-Pad8): length 25.5
  Top w0.25: RN2.6 67.74,40.64 71.27,44.17 71.27,44.46 U22.7
  Bottom w0.25: U22.7 72.4,43.33 76.3,39.43 76.3,34.1 77.48,32.92 J32.8
Net-(J33-Pad2): length 22.4
  Top w0.25: U25.3 73.81,87.36 73.81,87.64 72.42,89.03 RN3.9
  Bottom w0.25: RN3.9 64.63,89.03 64.63,88.68 69.86,83.44 J33.2
Net-(J33-Pad4): length 19.8
  Top w0.25: U25.2 71.27,88.49 66.1,88.49 65.52,87.9 62.99,87.9 62.37,88.52 62.37,89.61 63.22,90.45 63.5,90.45 RN3.8
  Bottom w0.25: J33.4 U25.2
Net-(J33-Pad6): length 18.1
  Top w0.25: U25.1 70.99,87.36 70.99,87.08 74.62,83.44 74.94,83.44 J33.6
  Bottom w0.25: RN3.7 64.63,94.12 64.63,93.72 69.86,88.49 U25.1
Net-(J33-Pad8): length 24.6
  Top w0.25: J33.8 77.48,83.44 76.3,84.62 76.3,89.95 72.4,93.85 U25.7 71.27,94.98 71.27,95.26 69.88,96.66 RN3.6
Net-(J34-Pad2): length 30.7
  Top w0.25: J34.2 69.86,58.04 68.73,59.17 68.73,63.23 68.86,63.36 72.97,63.36 73.81,62.52 73.81,62.24 U23.3
  Bottom w0.25: J34.2 69.86,55.69 69.05,55.69 68.68,55.32 68.68,49.21 63.78,44.31 63.5,44.31 RN2.5
Net-(J34-Pad4): length 23.6
  Bottom w0.25: RN2.4 63.5,46.85 63.78,46.85 67.78,50.85 67.78,56.48 69.34,58.04 72.4,58.04 ; J34.4 72.4,58.04 ; 72.4,58.04 72.69,58.33 72.69,60.82 72.4,61.11 U23.2
Net-(J34-Pad6): length 24.9
  Top w0.25: U23.1 69.86,61.11 73.76,57.21 73.76,56.87 J34.6
  Bottom w0.25: RN2.3 63.5,49.39 63.78,49.39 67.05,52.65 67.05,58.3 69.86,61.11 U23.1
Net-(J34-Pad8): length 35
  Top w0.25: v1(71.97,60.33) 73.21,60.33 76.3,57.23 76.3,56.87 J34.8
  Bottom w0.25: 71.13,63.4 72.4,64.67 U23.7 ; 71.13,63.4 71.13,61.16 v1(71.97,60.33) ; 71.13,63.4 68.93,63.4 64.63,59.09 64.63,52.35 64.2,51.93 63.5,51.93 RN2.2
Net-(J35-Pad2): length 19.8
  Top w0.25: U30.3 74.94,111.63 74.66,111.63 71.04,108.01 71.04,107.67 J35.2
  Bottom w0.25: RN3.5 63.5,100.32 63.77,100.32 65.26,101.82 65.26,102.7 69.05,106.49 69.86,106.49 J35.2
Net-(J35-Pad4): length 17.8
  Bottom w0.25: U30.2 72.4,108.88 ; 72.4,108.88 J35.4 ; 72.4,108.88 69.41,108.88 64.63,104.09 64.63,103.7 63.78,102.86 63.5,102.86 RN3.4
Net-(J35-Pad6): length 24.6
  Top w0.25: J35.6 73.76,107.67 73.76,107.3 72.91,106.45 69.4,106.45 68.67,107.19 68.67,110.44 69.86,111.63 U30.1
  Bottom w0.25: U30.1 69.86,111.48 63.78,105.4 63.5,105.4 RN3.3
Net-(J35-Pad8): length 29.7
  Top w0.25: J35.8 77.48,108.84 76.3,110.02 76.3,113.02 74.43,114.9 v1(72.64,114.9)
  Bottom w0.25: U30.7 72.4,115.14 v1(72.64,114.9) 69.93,114.9 64.63,109.59 64.63,108.36 64.2,107.94 63.5,107.94 RN3.2
Net-(JP3-Pad2): length 21.4
  Bottom w0.25: RN1.2 15.73,121.99 15.19,121.45 JP3.2 15.19,114.48 16,114.48 16.37,114.12 16.37,106.77 18.27,104.87 U4.18
Net-(JP3-Pad4): length 22.1
  Bottom w0.25: RN1.3 18.27,117.38 17.73,116.84 JP3.4 17.73,114.48 18.1,114.48 18.91,113.68 18.91,109.31 23.35,104.87 U4.16
Net-(JP3-Pad6): length 23.2
  Bottom w0.25: U4.14 28.43,104.87 21.45,111.85 21.45,113.68 20.64,114.48 20.27,114.48 JP3.6 20.27,121.45 20.81,121.99 RN1.4
Net-(JP3-Pad8): length 24.9
  Top w0.25: JP3.8 22.81,121.45 23.35,121.99 RN1.5
  Bottom w0.25: JP3.8 22.81,114.48 23.18,114.48 23.99,113.68 23.99,112.77 32.38,104.37 32.38,103.74 U4.12
Net-(JP3-Pad10): length 31.8
  Bottom w0.25: RN1.6 25.89,121.99 25.35,121.45 JP3.10 25.35,114.48 25.72,114.48 26.53,113.68 26.53,112.38 34.64,104.27 34.64,98.37 33.51,97.25 U4.9
Net-(JP3-Pad12): length 40
  Top w0.25: RN1.7 28.43,121.99 27.89,121.45 JP3.12
  Bottom w0.25: U4.7 29.56,96.12 29.56,95.84 30.4,94.99 34.06,94.99 34.78,95.72 34.78,96.65 37.18,99.05 37.18,104.36 29.07,112.47 29.07,113.68 28.26,114.48 27.89,114.48 JP3.12
Net-(JP3-Pad14): length 36.5
  Top w0.25: U4.5 23.35,97.25 19.65,100.95 19.65,104.21 23.9,108.45 27.45,108.45 31.61,112.61 31.61,113.68 30.8,114.48 30.43,114.48 JP3.14
  Bottom w0.25: JP3.14 30.43,116.84 30.97,117.38 RN1.8
Net-(JP3-Pad16): length 57
  Top w0.25: JP3.16 32.97,116.84 33.51,117.38 RN1.9
  Bottom w0.25: U4.3 18.27,101.65 17,102.92 17,105.01 13.98,108.02 13.98,121.35 14.55,121.92 14.55,123.54 15.27,124.25 31.53,124.25 32.38,123.4 32.38,123.12 RN1.9
Net-(JP9-Pad1): length 41.6
  Top w0.25: R13.1 110.2,153.38 90.22,153.38 89.97,153.62 85.04,153.62 SW1.1
  Bottom w0.25: JP9.1 74.18,149 74.18,149.37 77.21,152.4 SW1.1
Net-(K1-Pad2): length 22.3
  Top w0.25: U5.3 152.27,36.84 152.27,37.12 153.16,38.01 164.32,38.01 166.3,36.02 166.3,35.1 165.54,34.34 164.59,34.34 163.74,35.19 163.74,35.56 K1.2
Net-(K2-Pad2): length 15.5
  Top w0.25: v1(152.47,84.22) 159.87,84.22 161.38,85.73 161.38,86.54 K2.2
  Bottom w0.25: v1(152.47,84.22) 152.47,85.19 151.14,86.51 U18.3
Net-(K3-Pad2): length 22
  Top w0.25: K3.2 162.56,112.94 163.74,114.11 163.74,117.38 163.07,118.05 162.07,118.05 161.2,117.17 161.2,115.8 159.56,114.17 153.11,114.17 152.27,113.32 152.27,113.04 U19.3
Net-(K5-Pad2): length 13.6
  Top w0.25: U13.3 152.27,62.24 152.27,62.52 153.16,63.41 159.74,63.41 161.38,61.77 161.38,60.96 K5.2
Net-(Q1-Pad2): length 27.6
  Top w0.25: R9.1 111.76,143.41 ; 111.76,143.41 111.76,144.69 115.54,148.47 Q1.2 ; 111.76,143.41 96.26,143.41 95.11,142.26 R8.2
Net-(Q1-Pad3): length 9.8
  Top w0.25: Q1.3 118.36,149.37 117.64,150.1 113.45,150.1 R10.1
Net-(R10-Pad2): length 77.4
  Top w0.25: R11.1 R10.2 105.27,148.41 107.41,150.55 167.92,150.55 SP1.2
Net-(U27-Pad2): length 8.1
  Bottom w0.25: U27.2 195.45,146.18 195.45,145.34 X1.2
Net-(U27-Pad3): length 4.5
  Bottom w0.25: X1.1 197.99,145.34 197.99,146.18 U27.3

## Copper pours and planes (outline as drawn; the poured copper is in the pictures)
GND on Top: 235,0 0,0 0,160 235,160
GND on Top, Bottom: 235,0 0,0 0,160 235,160
GND on Bottom: 235,0 0,0 0,160 235,160

## Text on the board
F.Silkscreen: ~{IEO} | ~{IEI} | ~{BAO} | ~{BAI} | A2 / A1 / A0 / WP | ROMRAM GAL22V10 | ROM 3 | ROM 2 | ROM 1 | ROM 0 | RAM 3 | RAM 2 | RAM 1 | RAM 0 | POWER | CS MEM | CS RTC | USER 0 | USER 1 | MEMORY.ROMRAM, VERSION 1.1, AS OF 19 AUG 2023 | PATCH LEVEL 0_ 1_ 2_ 3_ 4_ 5_ 6_ 7_ 8_ 9_ | A7 / A6 / A5 / A4 / A3 / A2 / A1 / A0 | * / * / * / * / * | $94 | BOARD GUIDES EXCLUSION ZONE
